# Altium PCB OneBox.PcbDoc (part 9 of 13) (continued)
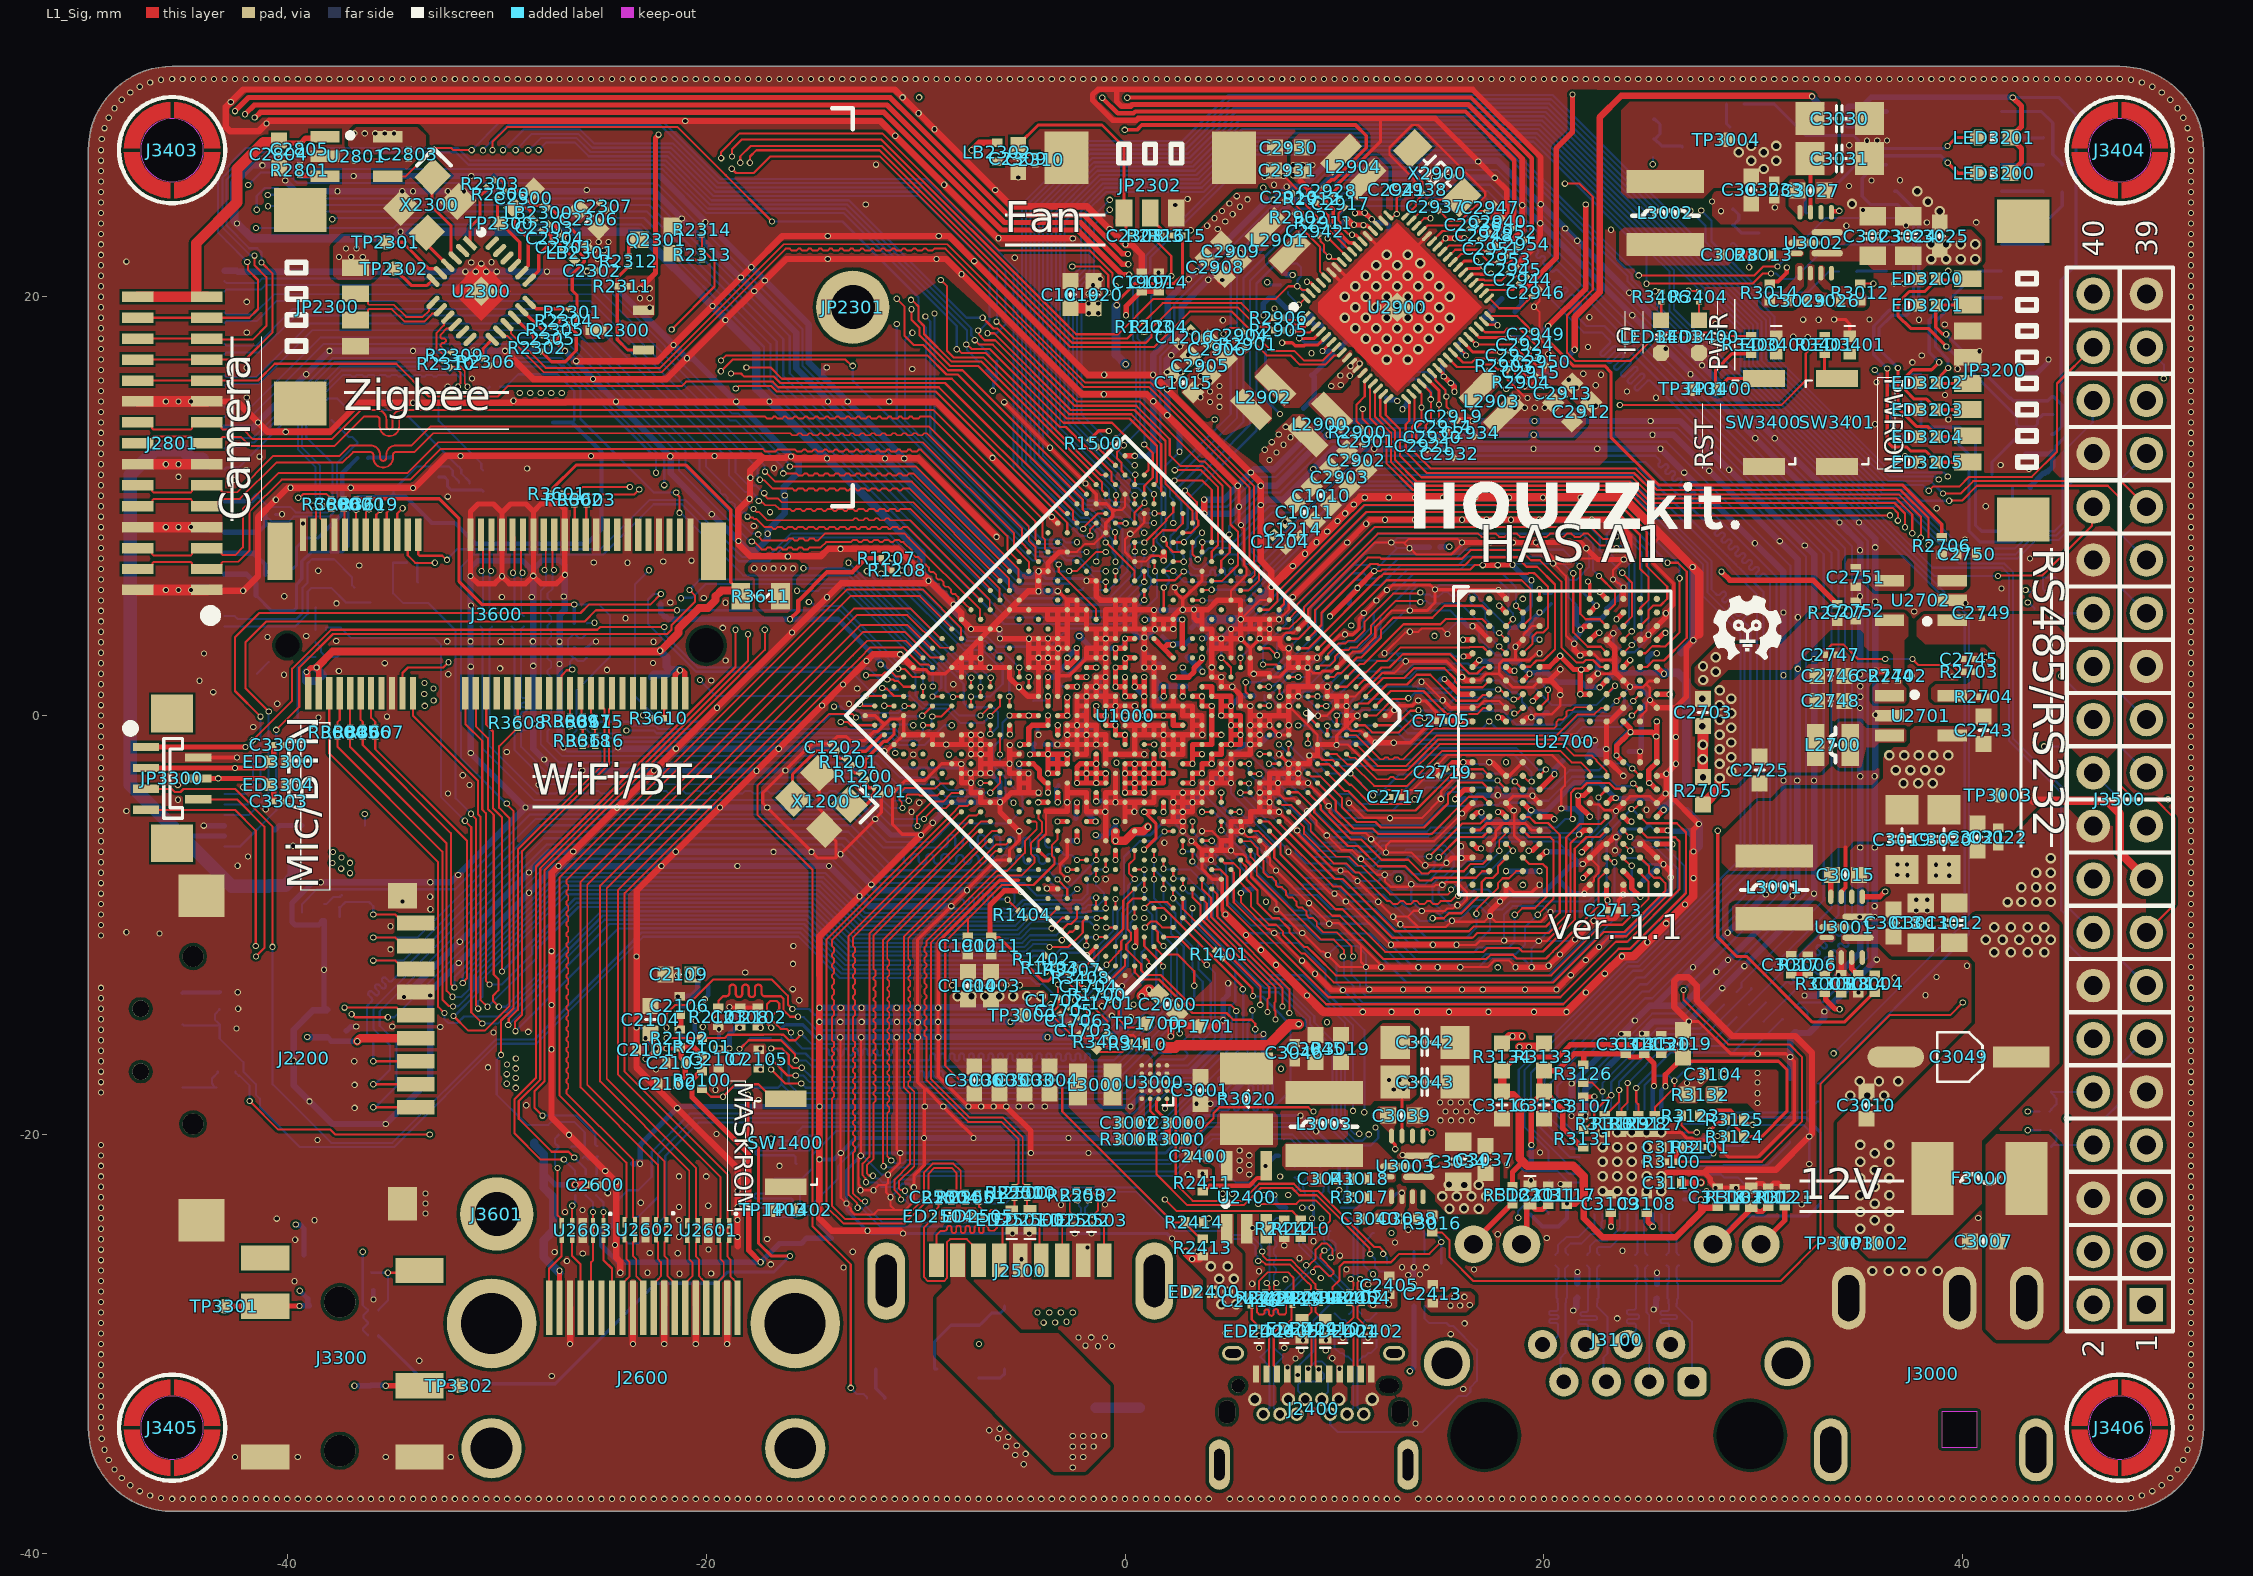
[diagram p0: L1_Sig view]
## Nets (pads, with @x,y where several pads share a name; then routed paths per layer and width w, separated by ;. In a path a pad name is that pad's centre, name@x,y a point inside that pad or via, vN(x,y) a via of type N, cw(c..) or ccw(c..) an arc to the next point about the centre after c; other vN are vias at no path point) (continued)
  L1_Sig w0.152: R1201.2@-13.023,-2.377 -13.041,-2.394 -13.041,-2.611 -12.911,-2.741 R1200.1@-12.695,-2.741 ; R1200.1@-12.677,-2.693 R1200.1@-12.677,-2.723 -12.4,-2.446 -12.4,-2.106 -11.516,-1.222 -11.365,-1.222 -11.031,-0.888 U1000.AF27@-11.031,-0.46
NetR1404_2: R1404.2 U1000.H28 | length 1.7
  L1_Sig w0.102: R1404.2@-4.723,-9.677 -3.689,-9.677 -3.217,-9.205 U1000.H28@-3.217,-9.192
NetR1600_1: R1600.1 U1000.AC1 | length 6.5
  L1_Sig w0.104: v1(0.922,8.27) 0.925,8.27 1.966,9.311 1.966,9.372 2.298,9.704 U1000.AC1@2.298,10.112
  L6_Sig w0.102: R1600.1@-1.5,6.1 R1600.1@-1.461,6.061
  L6_Sig w0.104: R1600.1@-1.512,5.998 -0.781,5.998 0.115,6.893 0.115,8.024 0.361,8.27 v1(0.922,8.27)
NetR1800_2: R1800.2 U1000.AA18 | length 0.5
  L1_Sig w0.102: U1000.AA18@-4.596,1.379 v1(-4.596,1.838)
NetR2300_1: R2300.1 TP2300.1 U2300.21 | length 3.8
  L1_Sig w0.152: R2300.1@-29.977,24.723 -29.959,24.705 -29.959,23.991 -29.963,23.988 -29.963,23.663 -28.9,22.6 -28.9,21.78 -29.155,21.525 U2300.21@-29.155,21.498
NetR2303_2: R2303.2 U2300.1 | length 3
  L1_Sig w0.152: U2300.1@-31.277,22.559 -31.277,23.323 -30.795,23.805 -30.795,24.65 -30.807,24.663 -30.807,24.789 -30.459,25.137 -30.459,25.206 R2303.2@-30.477,25.223
NetR2306_2: R2306.2 U2300.13 | length 1.1
  L1_Sig w0.152: R2306.2@-30.677,17.077 -30.659,17.094 -30.659,17.52 U2300.13@-30.216,17.963
NetR2412_1: R2412.1 U2400.3 | length 1
  L1_Sig w0.091: R2412.1@7.55,-24.075 R2412.1@7.6,-24.075
  L1_Sig w0.152: U2400.3@6.75,-24.5 6.836,-24.414 7.211,-24.414 R2412.1@7.55,-24.075
NetR2415_1: R2415.1 U2401.7 | length 1.7
  L6_Sig w0.102: U2401.7@10.305,-23.5 11.1,-23.5 11.5,-23.1 R2415.1@11.875,-23.1
NetR2508_1: R2508.1 U2500.3 | length 1.6
  L6_Sig w0.152: R2508.1@-7,-31.625 -5.949,-31.625 -5.75,-31.426 U2500.3@-5.75,-31.2
NetR2700_1: R2700.1 U2700.A8 | length 0.9
  L1_Sig w0.152: v1(22.1,6.4) 22.192,6.308 U2700.A8@22.192,5.574
NetR2701_1: R2701.1 U2700.A5 | length 1.1
  L1_Sig w0.152: v1(19.784,6.033) 19.788,6.03 19.788,5.577 U2700.A5@19.792,5.574
  L6_Sig w0.152: v1(19.784,6.033) 19.824,6.033 20.018,5.84 R2701.1@20.366,5.84
NetR2800_1: R2800.1 U2800.3 | length 1.4
  L6_Sig w0.254: R2800.1@-40.6,-5.45 -40.579,-5.45 -40.53,-5.401 -40.53,-5.399 -40.381,-5.25 U2800.3@-39.3,-5.25
NetR2801_1: R2801.1 U2801.3 | length 1.3
  L1_Sig w0.254: R2801.1@-39.398,25.798 -38.135,25.8 U2801.3@-38.098,25.837
NetR2802_2: R2802.2 U2802.4
NetR2803_1: R2803.1 R2804.1 U2802.3 | length 2.1
  L6_Sig w0.102: R2803.1@-38.65,3.5 -38.65,3.475 -38.576,3.401 -38.551,3.401 -38.4,3.25 -38.4,3.05 R2804.1@-38.15,2.8 -37.622,2.8 -37.372,3.05 U2802.3@-37.097,3.05
NetR2903_1: R2903.1 R2904.2 U2900.27 | length 4
  L1_Sig w0.102: U2900.27@15.652,17.343 16.136,16.859 16.559,16.859 16.741,17.041 17.724,17.041 17.87,16.894 18.359,16.894 18.624,16.63 18.624,16.317 18.741,16.199 18.741,16.094 R2904.2@18.723,16.077
NetR2911_1: R2911.1 R2912.2 U2900.59 | length 3.1
  L1_Sig w0.102: R2912.2@9.119,24.501 9.119,24.476 9.703,23.893 9.703,23.661 9.7,23.658 R2911.1@9.7,23.346 ; R2911.1@9.661,23.346 9.661,23.273 10.619,22.315 10.68,22.315 U2900.59@10.843,22.152
NetR3005_2: R3005.2 U3001.3 | length 9.4
  L1_Sig w0.254: R3005.2@33.502,-13.277 33.45,-13.225 33.45,-13.551 33.907,-14.008 34.108,-14.008 v3(34.117,-14.017) ; U3001.3@35.2,-8.65 36.037,-8.65 36.286,-8.4 v3(36.3,-8.4)
  L4_Sig w0.254: v3(34.117,-14.017) 34.862,-14.017 36.3,-12.579 v3(36.3,-8.4)
NetR3006_2: R3006.2 U3001.8
NetR3013_2: R3013.2 U3002.8
NetR3014_2: R3014.2 U3002.3 | length 5.7
  L1_Sig w0.102: U3002.3@33.726,24.027 U3002.3@33.726,24.226
  L1_Sig w0.203: R3014.2@30.792,20.627 30.887,20.722 31.171,20.722 31.6,21.151 v1(31.6,21.4) ; U3002.3@33.726,24.226 33.726,24.102 33.748,24.081 34.081,24.081 v1(34.1,24.1)
  L3_Pow w0.203: v1(31.6,21.4) 34.081,23.881 34.081,24.081 v1(34.1,24.1)
NetR3017_2: R3017.2 U3003.3 | length 6.1
  L1_Sig w0.102: R3017.2@10.775,-22.99 R3017.2@10.775,-23 10.785,-23 v1(10.849,-23.064) ; U3003.3@14.226,-20.073 14.226,-19.882 14.36,-19.749 14.444,-19.749 v1(14.629,-19.935)
  L4_Sig w0.102: v1(10.849,-23.064) 11.836,-23.064 14.624,-20.276 14.624,-19.939 v1(14.629,-19.935)
NetR3018_2: R3018.2 U3003.8
NetR3103_1: R3103.1 U3100.31 | length 6.8
  L6_Sig w0.102: U3100.31@26.699,-19.499 27.601,-19.499 28.143,-18.957 32.518,-18.957 33.05,-18.425 R3103.1@33.1,-18.425
NetTP2301_1: TP2301.1 U2300.5 | length 3.2
  L1_Sig w0.152: TP2301.1@-35.3,22.6 -34.5,22.6 -33.239,21.339 -32.885,21.339 U2300.5@-32.691,21.145
NetTP2302_1: TP2302.1 U2300.6 | length 2.5
  L1_Sig w0.152: TP2302.1@-34.896,21.344 -34.091,20.539 -33.328,20.539 -33.092,20.775 -33.092,20.839 U2300.6@-33.239,20.985
NetU2300_3: U2300.3 X2300.1 | length 4.4
  L1_Sig w0.152: X2300.1@-33.059,25.744 -33.094,25.708 -33.094,24.294 -32.178,23.378 -32.178,22.046 U2300.3@-31.984,21.852
NetU2300_4: U2300.4 X2300.3 | length 2
  L1_Sig w0.152: X2300.3@-33.341,23.056 -33.341,22.502 U2300.4@-32.337,21.498
PCIE20_CLKREQn_M1: R3601.2 R3602.1 U1000.AG6 | length 32.2
  L1_Sig w0.102: R3601.2@-26.85,10.6 -26.825,10.575 -26.325,10.575 R3602.1@-26.3,10.55 -26.275,10.55 -25.914,10.911 v1(-23.644,10.911) ; v1(-19.297,16.955) -19.049,17.203 -9.439,17.203 -8.524,16.289 -7.989,16.289 -2.021,10.321 -2.021,9.997 -2.021,9.834 U1000.AG6@-1.838,9.652
  L4_Sig w0.102: v1(-23.644,10.911) -23.644,12.608 v1(-19.297,16.955)
PCIE20_PERSTn_M1: R3609.2 U1000.AD1 | length 73
  L1_Sig w0.102: v1(-7.015,18.39) -6.979,18.354 -6.979,18.202 -6.889,18.112 -6.889,18.1 -6.711,17.922 -6.203,17.922 -2.671,14.39 0.302,14.39 1.729,12.963 1.729,10.705 1.838,10.596 U1000.AD1@1.838,10.571
  L4_Sig w0.102: v1(-28.5,27) -28.498,26.998 -28.498,24.398 -28.203,24.103 -28.203,16.884 -29.972,15.116 -29.972,9.728 -31.822,7.878 -31.822,4.735 -26.567,-0.52 v1(-26.542,-0.52)
  L6_Sig w0.102: v1(-28.5,27) -28.467,27 -27.895,27.572 -26.185,27.572 -25.522,26.909 -21.763,26.909 -19.666,24.813 -9.846,24.813 -6.47,21.437 -6.47,18.863 -6.867,18.466 -6.886,18.466 -6.962,18.39 v1(-7.015,18.39)
PCIE20_REFCLK_N: J3600.49 U1000.V25 | length 33.8
  L1_Sig w0.091: v1(-27.266,6.947) -27.266,7.005 -27.342,7.082 -27.342,8.533 J3600.49@-27.25,8.625 ; v1@-6.9,-3.216 v1(-6.902,-3.217) U1000.V25@-6.435,-3.217
  L6_Sig w0.091: v1(-27.266,6.947) -27.266,6.89 -27.337,6.819 -27.337,6.063 -27.58,5.82 -27.58,5.62 -27.4,5.44 -27.4,5.2 -27.58,5.02 -27.58,4.9 -27.4,4.72 -27.4,4.48 -27.58,4.3 -27.58,4.18 -27.4,4 -27.4,3.76 -27.58,3.58 -27.58,3.46 -27.4,3.28 -27.4,3.04 -27.58,2.86 -27.58,2.74 -27.4,2.56 -27.4,2.32 -27.58,2.14 -27.58,2.02 -27.4,1.84 -27.4,1.6 -27.58,1.42 -27.58,1.3 -27.4,1.12 -27.4,0.88 -27.58,0.7 -27.58,0.58 -27.4,0.4 -27.4,0.16 -27.58,-0.02 -27.58,-0.14 -27.4,-0.32 -27.4,-0.56 -27.58,-0.74 -27.58,-1.226 -26.877,-1.929 -11.772,-1.929 -10.735,-2.965 -9.035,-2.965 -8.458,-3.542 -6.986,-3.542 -6.895,-3.451 -6.895,-3.224 v1(-6.902,-3.217)
PCIE20_REFCLK_P: J3600.47 U1000.V24 | length 33.9
  L1_Sig w0.091: J3600.47@-27.75,8.625 -27.663,8.538 -27.663,7.108 -27.682,7.088 -27.682,6.988 v1(-27.723,6.947) ; v1(-6.435,-3.684) -5.975,-3.225 U1000.V24@-5.975,-2.758
  L6_Sig w0.091: v1(-27.723,6.947) -27.682,6.907 -27.682,6.813 -27.657,6.787 -27.657,6.196 -27.9,5.953 -27.9,-1.358 -27.01,-2.249 -11.904,-2.249 -11.34,-2.813 -10.868,-3.285 -9.168,-3.285 -8.59,-3.862 -6.853,-3.862 -6.668,-3.677 -6.442,-3.677 v1(-6.435,-3.684)
PCIE20_RX_N: C3611.2 U1000.Y28 | length 29.1
  L1_Sig w0.091: v1(-10.329,-4.066) -10.329,-4.024 -10.447,-3.906 -10.447,-3.83 -10.393,-3.777 -9.847,-3.777 -9.814,-3.81 -8.947,-3.81 -8.845,-3.707 -8.763,-3.707 U1000.Y28@-8.733,-3.677
  L6_Sig w0.091: C3611.2@-28.692,4.253 -28.717,4.253 C3611.2@-28.796,4.174 ; v1(-10.329,-4.066) -11.079,-4.066 -12.196,-2.95 -17.45,-2.95 -17.459,-2.958 -27.376,-2.958 -28.841,-1.493 -28.841,-1.245 -28.836,-1.24 -28.836,-1.068 -28.836,-0.804 cw(c-28.727,-0.804) -28.727,-0.694 -28.669,-0.694 ccw(c-28.669,-0.585) -28.669,-0.476 -28.732,-0.476 cw(c-28.732,-0.367) -28.732,-0.257 -28.669,-0.257 ccw(c-28.669,-0.148) -28.669,-0.039 -28.732,-0.039 cw(c-28.732,0.07) -28.732,0.179 -28.669,0.179 ccw(c-28.669,0.289) -28.669,0.398 -28.732,0.398 cw(c-28.732,0.507) -28.732,0.616 -28.669,0.616 ccw(c-28.669,0.726) -28.669,0.835 -28.727,0.835 cw(c-28.727,0.944) -28.836,0.944 -28.836,1.12 -28.836,4.109 ; -28.836,4.109 -28.836,4.134 C3611.2@-28.796,4.174 ; -28.836,4.109 -28.796,4.149 C3611.2@-28.796,4.174
PCIE20_RX_P: C3610.2 U1000.Y27 | length 29.2
  L1_Sig w0.091: v1(-10.623,-4.416) -10.664,-4.375 -10.664,-4.141 -10.767,-4.039 -10.767,-3.698 -10.526,-3.457 -9.714,-3.457 -9.681,-3.49 -9.08,-3.49 -8.832,-3.242 -8.298,-3.242 U1000.Y27@-8.273,-3.217
  L6_Sig w0.091: C3610.2@-29.3,4.25 -29.275,4.25 -29.156,4.131 -29.156,2.062 -29.161,2.056 -29.161,-1.626 -27.509,-3.278 -17.326,-3.278 -17.318,-3.27 -12.328,-3.27 -11.182,-4.416 v1(-10.623,-4.416)
PCIE20_TX_N: C3602.2 U1000.W28 | length 31.2
  L1_Sig w0.091: v1(-9.604,-4.932) -9.604,-4.918 -9.108,-4.422 -8.558,-4.422 U1000.W28@-8.273,-4.137
  L6_Sig w0.091: C3602.2@-30.225,4.25 -30.356,4.119 -30.356,-1.444 -28.091,-3.709 -27.168,-3.709 -27.059,-3.6 -26.759,-3.6 -26.649,-3.709 -26.359,-3.709 -26.249,-3.6 -25.949,-3.6 -25.84,-3.709 -25.549,-3.709 -25.44,-3.6 -25.14,-3.6 -25.031,-3.709 -24.74,-3.709 -24.631,-3.6 -24.331,-3.6 -24.221,-3.709 -23.931,-3.709 -23.821,-3.6 -23.521,-3.6 -23.412,-3.709 -23.121,-3.709 -23.012,-3.6 -22.712,-3.6 -22.603,-3.709 -22.312,-3.709 -22.203,-3.6 -21.903,-3.6 -21.793,-3.709 -21.503,-3.709 -21.393,-3.6 -21.093,-3.6 -20.984,-3.709 -20.693,-3.709 -20.584,-3.6 -20.284,-3.6 -20.175,-3.709 -19.884,-3.709 -19.775,-3.6 -19.475,-3.6 -19.365,-3.709 -19.075,-3.709 -18.965,-3.6 -18.665,-3.6 -18.556,-3.709 -18.265,-3.709 -18.156,-3.6 -17.856,-3.6 -17.747,-3.709 -17.456,-3.709 -17.347,-3.6 -17.047,-3.6 -16.937,-3.709 -16.647,-3.709 -16.537,-3.6 -16.237,-3.6 -16.128,-3.709 -15.837,-3.709 -15.728,-3.6 -15.428,-3.6 -15.319,-3.709 -15.028,-3.709 -14.919,-3.6 -14.619,-3.6 -14.509,-3.709 -14.219,-3.709 -14.109,-3.6 -13.809,-3.6 -13.7,-3.709 -13.409,-3.709 -13.3,-3.6 -13,-3.6 -12.891,-3.709 -12.246,-3.709 -11.025,-4.93 -9.605,-4.93 v1(-9.604,-4.932)
PCIE20_TX_P: C3601.2 U1000.W27 | length 31.2
  L1_Sig w0.091: v1(-9.91,-5.274) -9.934,-5.25 -9.934,-4.795 -9.24,-4.102 -8.691,-4.102 -8.291,-3.702 -7.838,-3.702 U1000.W27@-7.814,-3.677
  L6_Sig w0.091: C3601.2@-30.775,4.25 -30.696,4.171 -30.696,4.136 -30.677,4.117 -30.677,-1.576 -28.223,-4.029 -12.379,-4.029 -11.158,-5.25 -9.934,-5.25 v1(-9.91,-5.274)
PCIE20_WAKEn_M1: R3603.1 U1000.AD7 | length 33.5
  L1_Sig w0.089: v1(-2.671,6.906) -2.286,6.906 -1.379,7.814 v1(-0.919,7.814)
  L1_Sig w0.102: R3603.1@-25.7,10.55 -23.45,10.55 v1(-23.2,10.8) ; v1(-19.3,16.443) -19.29,16.443 -18.733,17 -13.355,17 -13.055,16.7 v1(-13,16.7)
  L4_Sig w0.102: v1(-23.2,10.8) -23.2,12.543 v1(-19.3,16.443)
  L6_Sig w0.102: v1(-13,16.7) -13,16 -4.4,7.4 -3.9,7.4 -3.385,6.885 -2.692,6.885 v1(-2.671,6.906)
PCIE20RX_N: C3611.1 J3600.43 | length 4
  L1_Sig w0.091: v1(-28.773,6.825) -28.773,6.883 -28.841,6.951 -28.841,7.448 -28.84,7.449 -28.84,8.535 J3600.43@-28.75,8.625
  L6_Sig w0.091: v1(-28.773,6.825) -28.813,6.784 -28.813,6.682 -28.831,6.665 -28.831,4.867 -28.717,4.753 C3611.1@-28.692,4.753
PCIE20RX_P: C3610.1 J3600.41 | length 4.1
  L1_Sig w0.091: J3600.41@-29.25,8.625 -29.16,8.535 -29.16,7.582 -29.161,7.58 -29.161,6.951 -29.23,6.883 v1(-29.23,6.825)
  L6_Sig w0.091: C3610.1@-29.3,4.75 -29.275,4.75 -29.151,4.874 -29.151,6.689 -29.23,6.767 v1(-29.23,6.825)
PCIE20TX_N: C3602.1 J3600.37 | length 3.3
  L1_Sig w0.091: J3600.37@-30.34,7.9 -30.34,7.567 -30.34,7.026 -30.271,6.958 v1(-30.271,6.9)
  L6_Sig w0.091: v1(-30.271,6.9) -30.271,6.869 -30.34,6.8 -30.34,4.865 -30.225,4.75 C3602.1@-30.2,4.75
PCIE20TX_P: C3601.1 J3600.35 | length 3.3
  L1_Sig w0.091: v1(-30.729,6.9) -30.729,6.958 -30.66,7.026 -30.66,7.435 J3600.35@-30.66,7.9
  L6_Sig w0.091: C3601.1@-30.8,4.75 -30.775,4.75 -30.66,4.865 -30.66,6.8 -30.729,6.869 v1(-30.729,6.9)
PCIE30_RESREF: R1900.1 U1000.U19 | length 0.5
  L1_Sig w0.254: U1000.U19@-3.217,-0.919 v1(-3.217,-0.46)
PDM_CLK0_M0_RK809: U1000.C20 U2900.19 | length 101.1
  L1_Sig w0.102: U1000.C20@2.758,-7.814 2.76,-7.815 2.76,-8.238 v1(2.761,-8.24) ; U2900.19@13.672,15.363 13.82,15.215 13.82,13.92 13.698,13.798 13.698,12.702 14.61,11.79 24.384,11.79 25.399,10.776 37.026,10.776 38.362,9.44 v1(38.362,8.14)
  L4_Sig w0.102: v1(11.954,-19.665) 12.004,-19.665 14.453,-17.216 23.209,-17.216 23.732,-16.694 26.766,-16.694 28.566,-14.894 35.232,-14.894 38.476,-11.649 38.476,-9.912 41.8,-6.588 41.8,4.703 v1(38.362,8.14)
  L6_Sig w0.102: v1(2.761,-8.24) 3.018,-8.497 3.297,-8.497 3.595,-8.795 3.595,-9.946 5.622,-11.972 6.349,-12.7 6.657,-13.008 7.406,-13.008 7.717,-13.319 8.831,-14.432 8.831,-14.743 10.103,-16.016 10.103,-19.703 10.919,-20.519 11.74,-20.519 12.091,-20.169 12.091,-19.823 11.954,-19.686 v1(11.954,-19.665)
PHY1_CLKOUT125: R3101.2 U3100.35 | length 2
  L1_Sig w0.152: R3101.2@27.75,-20.6 27.75,-20.625 27.799,-20.674 27.824,-20.674 28.021,-20.871 28.071,-20.871 v1(28.1,-20.9)
  L6_Sig w0.152: U3100.35@26.699,-21.099 27.901,-21.099 v1(28.1,-20.9)
PHY1_LED0/CFG_EXT: R3123.1 U3100.32 | length 1.9
  L1_Sig w0.102: R3123.1@26.575,-19.1 26.575,-19.575 26.9,-19.9 v1(27.3,-19.9)
  L6_Sig w0.102: U3100.32@26.699,-19.9 v1(27.3,-19.9)
PHY1_LED1/CFG_LDO0: C3112.2 ED3100.1 J3100.10 R3125.2 U3100.33 | length 21.3
  L1_Sig w0.152: v1(27.915,-19.822) 28.336,-19.402 28.573,-19.402 R3125.2@28.675,-19.3 ; C3112.2@30.65,-23.45 C3112.2@30.7,-23.45
  L1_Sig w0.254: J3100.10@28.07,-25.243 28.208,-25.243 29.777,-23.674 29.777,-23.498 29.85,-23.425 29.9,-23.425 ED3100.1@29.973,-23.352 ; ED3100.1@29.95,-23.425 30.207,-23.682 30.418,-23.682 C3112.2@30.65,-23.45
  L6_Sig w0.152: U3100.33@26.699,-20.299 27.479,-20.299 27.915,-19.863 v1(27.915,-19.822) 28.551,-19.186 32.496,-19.186 33.1,-19.79 33.1,-19.8 33.2,-19.9 33.2,-23.3 32.6,-23.9 29.413,-23.9 J3100.10@28.07,-25.243
PHY1_LED2/CFG_LDO1: C3111.2 ED3101.1 J3100.11 R3124.1 U3100.34 | length 21.2
  L1_Sig w0.152: v1(28.289,-20.077) 28.551,-20.077 28.675,-19.953 R3124.1@28.675,-19.95
  L1_Sig w0.254: J3100.11@18.93,-25.243 19.177,-24.996 19.177,-23.398 19.25,-23.325 19.3,-23.325 19.373,-23.398 19.423,-23.398 19.607,-23.582 19.928,-23.582 20.077,-23.434 20.077,-23.423 20.15,-23.35 C3111.2@20.2,-23.35
  L4_Sig w0.152: J3100.11@18.93,-25.243 18,-24.313 18,-24 18.6,-23.4 19.8,-23.4 21.3,-24.9 22.7,-24.9 23.7,-24.9 24.7,-23.9 26,-23.9 26.7,-23.2 26.7,-21.666 v1(28.289,-20.077)
  L6_Sig w0.152: U3100.34@26.699,-20.701 27.672,-20.701 28.289,-20.083 v1(28.289,-20.077)
PHY1_MDI0_N: L3103.3 R3119.1 U3100.2 | length 2.2
  L6_Sig w0.091: U3100.2@25.6,-23.799 25.622,-23.822 25.622,-24.196 25.622,-24.778 25.972,-25.127 25.972,-25.591 25.949,-25.614 25.949,-25.651 L3103.3@25.85,-25.75
PHY1_MDI0_P: L3103.4 R3120.1 U3100.1 | length 2.2
  L6_Sig w0.091: U3100.1@26.001,-23.799 25.978,-23.822 25.978,-24.196 25.978,-24.63 26.328,-24.98 26.328,-25.616 26.351,-25.639 26.351,-25.676 26.425,-25.75 L3103.4@26.45,-25.75
PHY1_MDI1_N: L3102.3 R3117.1 U3100.5 | length 2
  L6_Sig w0.091: L3102.3@24.35,-25.75 24.375,-25.75 24.449,-25.676 24.449,-25.639 24.472,-25.616 24.472,-24.977 24.422,-24.927 24.422,-23.821 U3100.5@24.401,-23.799
PHY1_MDI1_P: L3102.4 R3118.1 U3100.4 | length 2.1
  L6_Sig w0.091: U3100.4@24.799,-23.799 24.778,-23.821 24.778,-24.78 24.828,-24.83 24.828,-25.616 24.851,-25.639 24.851,-25.676 L3102.4@24.925,-25.75 ; L3102.4@24.925,-25.75 L3102.4@24.95,-25.75 L3102.4@24.925,-25.75
PHY1_MDI2_N: L3101.3 R3115.1 U3100.7 | length 3
  L6_Sig w0.091: L3101.3@22.05,-25.75 22.075,-25.75 22.075,-25.725 22.208,-25.592 22.208,-25.315 22.467,-25.056 23.035,-25.056 23.622,-24.469 23.622,-23.821 U3100.7@23.601,-23.799
PHY1_MDI2_P: L3101.4 R3116.1 U3100.6 | length 3
  L6_Sig w0.091: L3101.4@22.65,-25.75 22.625,-25.75 22.551,-25.676 22.551,-25.639 22.528,-25.616 22.528,-25.448 22.6,-25.376 23.168,-25.376 23.999,-24.544 U3100.6@23.999,-23.799
PHY1_MDI3_N: L3100.3 R3113.1 U3100.10 | length 3.2
  L6_Sig w0.091: L3100.3@20.55,-25.75 20.649,-25.651 20.649,-25.614 20.672,-25.591 20.672,-25.3 21.079,-24.894 21.653,-24.894 22.106,-24.441 22.332,-24.441 22.422,-24.352 22.422,-24.196 22.422,-23.822 U3100.10@22.399,-23.799
PHY1_MDI3_P: L3100.4 R3114.1 U3100.9 | length 3.2
  L6_Sig w0.091: L3100.4@21.15,-25.75 21.051,-25.651 21.051,-25.614 21.028,-25.591 21.028,-25.448 21.261,-25.214 21.786,-25.214 22.239,-24.761 22.465,-24.761 22.742,-24.484 22.742,-24.183 22.8,-24.124 U3100.9@22.8,-23.799
PHY1_MDI_0_N: J3100.2 L3103.1 R3119.2 U3101.4 U3101.7 | length 6.1
  L6_Sig w0.091: U3101.4@25.85,-26.93 U3101.4@25.9,-26.98 ; L3103.1@25.85,-26.25 25.875,-26.25 25.949,-26.324 25.949,-26.361 25.972,-26.384 25.972,-26.58 25.972,-26.871 25.949,-26.894 25.949,-27.081 U3101.4@25.9,-27.13 U3101.7@25.9,-27.83 25.949,-27.879 25.949,-28.066 25.972,-28.089 25.972,-28.097 25.972,-28.336 cw(c25.876,-28.336) 25.876,-28.433 25.655,-28.433 ccw(c25.655,-28.529) 25.655,-28.626 26.261,-28.626 cw(c26.261,-28.722) 26.261,-28.819 25.655,-28.819 ccw(c25.655,-28.915) 25.655,-29.012 25.876,-29.012 cw(c25.876,-29.108) 25.972,-29.108 25.972,-29.298 25.972,-29.952 J3100.2@26.05,-30.03
PHY1_MDI_0_P: J3100.1 L3103.2 R3120.2 U3101.5 U3101.6 | length 6.1
  L6_Sig w0.091: U3101.5@26.4,-26.98 U3101.5@26.45,-26.93 ; L3103.2@26.45,-26.25 26.425,-26.25 26.351,-26.324 26.351,-26.361 26.328,-26.384 26.328,-26.728 26.328,-26.812 26.351,-26.835 26.351,-27.081 U3101.5@26.4,-27.13 U3101.6@26.4,-27.83 26.346,-27.884 26.346,-28.069 26.327,-28.088 26.327,-28.193 27.07,-28.935 J3100.1@27.07,-31.81
PHY1_MDI_1_N: J3100.4 L3102.1 R3117.2 U3101.1 U3101.10 | length 5.8
  L6_Sig w0.091: J3100.4@24.01,-30.03 24.01,-29.711 24.4,-29.321 24.4,-29.181 24.4,-29.135 ccw(c24.291,-29.135) 24.291,-29.026 24.063,-29.026 cw(c24.063,-28.917) 24.063,-28.807 24.437,-28.807 ccw(c24.437,-28.698) 24.437,-28.589 24.063,-28.589 cw(c24.063,-28.48) 24.063,-28.37 24.291,-28.37 ccw(c24.291,-28.261) 24.4,-28.261 24.4,-28.091 U3101.10@24.4,-27.83 U3101.1@24.4,-27.13 24.449,-27.081 24.449,-26.894 24.472,-26.871 24.472,-26.58 24.472,-26.384 24.449,-26.361 24.449,-26.324 24.375,-26.25 L3102.1@24.35,-26.25 ; U3101.1@24.35,-26.93 U3101.1@24.4,-26.98
PHY1_MDI_1_P: J3100.3 L3102.2 R3118.2 U3101.2 U3101.9 | length 5.8
  L6_Sig w0.091: U3101.2@24.9,-26.98 U3101.2@24.95,-26.93 ; L3102.2@24.95,-26.25 24.851,-26.349 24.851,-26.386 24.828,-26.409 24.828,-26.728 24.828,-26.812 24.851,-26.835 24.851,-27.081 U3101.2@24.9,-27.13 U3101.9@24.9,-27.83 24.9,-28.497 25.03,-28.627 J3100.3@25.03,-31.81
PHY1_MDI_2_N: J3100.6 L3101.1 R3115.2 U3102.4 U3102.7 | length 6.3
  L6_Sig w0.091: J3100.6@21.97,-30.03 22.1,-29.9 22.1,-29.2 22.1,-29.154 ccw(c22.003,-29.154) 22.003,-29.058 21.737,-29.058 cw(c21.737,-28.961) 21.737,-28.865 22.448,-28.865 ccw(c22.448,-28.768) 22.448,-28.672 21.842,-28.672 cw(c21.842,-28.575) 21.842,-28.479 22.003,-28.479 ccw(c22.003,-28.382) 22.1,-28.382 22.1,-28.2 U3102.7@22.1,-27.8 U3102.4@22.1,-27.1 ; L3101.1@22.05,-26.25 22.149,-26.349 22.149,-26.386 22.172,-26.409 U3102.4@22.172,-27.3
PHY1_MDI_2_P: J3100.5 L3101.2 R3116.2 U3102.5 U3102.6 | length 6.3
  L6_Sig w0.091: U3102.5@22.528,-27.3 22.528,-26.409 22.551,-26.386 22.551,-26.349 L3101.2@22.65,-26.25 ; U3102.5@22.6,-27.1 U3102.6@22.6,-27.8 22.551,-27.849 22.551,-28.036 22.528,-28.059 22.528,-28.202 23.035,-28.71 23.035,-30.459 22.835,-30.659 22.835,-31.655 J3100.5@22.99,-31.81 ; U3102.5@22.6,-26.95 U3102.5@22.65,-26.9
PHY1_MDI_3_N: J3100.8 L3100.1 R3113.2 U3102.1 U3102.10 | length 5.9
  L6_Sig w0.091: J3100.8@19.93,-30.03 20.27,-30.03 20.672,-29.628 20.672,-29.15 20.672,-29.104 ccw(c20.576,-29.104) 20.576,-29.007 20.348,-29.007 cw(c20.348,-28.911) 20.348,-28.814 20.611,-28.814 ccw(c20.611,-28.718) 20.611,-28.621 20.348,-28.621 cw(c20.348,-28.525) 20.348,-28.428 20.576,-28.428 ccw(c20.576,-28.332) 20.672,-28.332 20.672,-28.059 20.649,-28.036 20.649,-27.998 20.649,-27.849 U3102.10@20.6,-27.8 U3102.1@20.6,-26.95 ; U3102.1@20.55,-26.9 U3102.1@20.6,-26.95 ; L3100.1@20.55,-26.25 20.688,-26.388 20.688,-26.862 U3102.1@20.6,-26.95
PHY1_MDI_3_P: J3100.7 L3100.2 R3114.2 U3102.2 U3102.9 | length 5.8
  L6_Sig w0.091: J3100.7@20.95,-31.81 20.795,-31.655 20.795,-30.659 21.028,-30.427 21.028,-28.059 21.051,-28.036 21.051,-27.849 U3102.9@21.1,-27.8 21.1,-26.95 21.008,-26.858 21.008,-26.392 L3100.2@21.15,-26.25
PHY1_REG_OUT: C3104.2 L3104.1 R3132.1 U3100.30
  other v1: 26.834,-17.537 27.495,-17.43
PHY1_RSTn: C3121.2 R3104.2 R3105.2 U3100.12 | length 3.7
  L6_Sig w0.102: R3104.2@20.225,-23.8 20.225,-23.75 20.076,-23.601 20.06,-23.601 20,-23.541 20,-23.275 20.225,-23.05 20.225,-22.95 20,-22.725 20,-22.5 20.25,-22.25 C3121.2@20.25,-22.2 20.399,-22.349 20.399,-22.483 20.616,-22.7 U3100.12@21.701,-22.7
PHY1_RXCLK/PHYAD1: R3111.1 R3127.2 U3100.27 | length 11.3
  L1_Sig w0.104: R3127.2@25.3,-19.075 25.3,-18.7 26.228,-17.772 v1(26.228,-17.435)
  L6_Sig w0.104: U3100.27@24.799,-18.801 24.799,-17.655 25.254,-17.2 25.953,-17.2 26.188,-17.435 v1(26.228,-17.435) ; v1@26.201,-17.408 26.256,-17.408 27.201,-16.462 29.418,-16.462 31.38,-14.501 R3111.1@31.399,-14.501
PHY1_RXD0/RXDLY: R3107.1 R3129.2 U3100.25 | length 11.1
  L1_Sig w0.102: R3129.2@23.7,-19.075 23.7,-18.764 23.997,-18.467 v1(23.997,-17.546)
  L6_Sig w0.102: U3100.25@23.999,-18.801 23.998,-18.8 v1(23.997,-17.546) v1(23.997,-17.546) 25.774,-15.77 28.53,-15.77 R3107.1@30.599,-13.701
PHY1_RXD1/TXDLY: R3108.1 R3130.2 U3100.24 | length 9.7
  L1_Sig w0.104: R3130.2@22.9,-19.075 22.95,-19.075 23.094,-18.931 23.585,-18.44 23.585,-17.882 v1(23.591,-17.877)
  L6_Sig w0.104: U3100.24@23.601,-18.801 23.596,-18.796 23.596,-17.881 v1(23.591,-17.877) 23.591,-17.469 25.612,-15.447 28.153,-15.447 R3108.1@29.199,-14.401
PHY1_RXD2/PLLOFF: R3109.1 R3131.1 U3100.23 | length 12.2
  L1_Sig w0.104: R3131.1@21.877,-19.775 21.927,-19.775 22.4,-19.302 22.4,-18.902 23.179,-18.124 v1(23.212,-18.124)
  L6_Sig w0.104: U3100.23@23.199,-18.801 23.205,-18.794 v1@23.205,-18.104 ; v1(23.212,-18.124) 23.212,-17.491 25.507,-15.195 27.776,-15.195 29.899,-13.071 R3109.1@29.899,-13.001
PHY1_RXD3/PHYAD0: R3110.1 R3126.1 U3100.22 | length 9.7
  L1_Sig w0.104: R3126.1@21.877,-17.525 22.312,-17.525 22.74,-17.953 v1(22.793,-17.953)
  L6_Sig w0.104: v1(22.793,-17.953) 22.791,-17.951 22.791,-17.557 25.402,-14.946 27.454,-14.946 R3110.1@28.599,-13.801 ; v1@22.797,-17.956 22.797,-18.797 U3100.22@22.8,-18.801
PHY1_RXDV/PHYAD2: R3112.1 R3128.2 U3100.26 | length 9
  L1_Sig w0.104: v1(24.409,-17.778) 24.409,-18.457 24.518,-18.566 24.518,-19.057 R3128.2@24.5,-19.075
  L6_Sig w0.104: U3100.26@24.401,-18.801 24.405,-18.796 v1@24.405,-17.782 ; v1@24.406,-17.775 24.406,-17.737 26.055,-16.088 29.012,-16.088 R3112.1@29.899,-15.201
PHY1_XTALIN: C3101.1 U3100.36 X3100.3 | length 5.6
  L6_Sig w0.102: U3100.36@26.699,-21.501 27.572,-21.501 ; 27.572,-21.5 28.55,-21.5 C3101.1@28.6,-21.45 30.7,-21.45 31.75,-20.4 X3100.3@31.75,-20.35 ; X3100.3@31.35,-20.4 X3100.3@31.35,-20.35
PHY1_XTALOUT: C3100.2 U3100.37 X3100.1 | length 3.2
  L6_Sig w0.102: U3100.37@26.699,-21.899 28.199,-21.899 28.201,-21.901 28.451,-21.901 C3100.2@28.6,-22.05 29.25,-22.05 X3100.1@29.65,-22.45
PMIC_INT_L: U1000.AA22 U2900.7 | length 69.8
  L1_Sig w0.102: v1(-18.783,26.114) -18.575,25.906 -17.723,25.906 -16.93,26.7 -11.716,26.7 -2.616,17.6 1.4,17.6 3.09,19.29 5.11,19.29 6.997,17.403 7.888,17.403 8.097,17.403 8.54,16.96 9.449,16.96 10.08,17.591 U2900.7@10.101,17.591 ; v1(-6.434,-0.876) U1000.AA22@-6.434,-0.46
  L4_Sig w0.102: v1(-18.783,26.114) -16.41,23.741 -16.41,18.547 -15.361,17.499 v1(-15.361,7.035)
  L6_Sig w0.102: v1(-15.361,7.035) -13.402,7.035 -13.337,6.97 -13.157,6.97 -12.862,6.675 -8.381,2.194 -7.7,1.513 -7.7,0.6 -7.5,0.4 -6.3,0.4 -6.067,0.167 -6.067,-0.535 -6.408,-0.876 v1(-6.434,-0.876)
PMIC_SLEEP_H: U1000.AG28 U2900.49 U3000.A1 | length 104.7
  L1_Sig w0.102: v1(-13.577,-0.301) -13.25,-0.301 -13.092,-0.46 U1000.AG28@-11.95,-0.46 ; v1(-2.525,21.443) -1.205,21.443 -0.8,21.038 v1(-0.8,20.2) ; v1(1.912,-18.757) 1.912,-18.703 2,-18.615 U3000.A1@2,-18.3 ; U2900.49@13.919,23.389 14.278,23.748 v1(14.583,23.748)
  L4_Sig w0.102: v1(-2.525,21.443) -2.908,21.443 -3.216,21.134 -3.216,20.984 -9.1,15.1 -9.1,7.4 -12.005,4.495 -12.005,-0.054 -12.526,-0.575 -13.303,-0.575 v1(-13.577,-0.301) -16.539,-0.301 -25.087,-8.849 -25.087,-16.938 -21.698,-20.327 -18.627,-20.327 -18.17,-19.87 -10.465,-19.87 -9.695,-19.1 -1.31,-19.1 -0.189,-20.221 0.884,-20.221 1.912,-19.193 v1(1.912,-18.757) ; v1(-0.8,20.2) -0.772,20.2 -0.572,20 6.3,20 6.574,20.274 6.922,20.274 7.163,20.515 7.163,21.473 9.86,24.17 9.863,24.17 10.048,24.355 13.539,24.355 14.017,23.877 14.424,23.877 14.553,23.748 v1(14.583,23.748)
PWM_FAN: R2316.1 U1000.AE2 | length 13.6
  L1_Sig w0.102: v1(0.913,12.948) 1.323,12.538 1.323,11.369 0.919,10.965 U1000.AE2@0.919,10.571 ; R2316.1@1.25,22.899 2.204,21.945 v1(2.204,20.995)
  L6_Sig w0.102: v1(0.913,12.948) 0.921,12.955 0.921,17.864 1.247,18.191 1.247,20.039 v1(2.204,20.995)
RESETn: C1200.2 C2939.1 R1202.2 R2908.1 R3400.1 U1000.AH27 U2900.67 | length 102.9
  L1_Sig w0.102: v1(-18.764,26.695) -18.764,27.047 -18.312,27.5 -11.628,27.5 -3.133,19.006 -2.337,18.21 -0.328,18.21 1.36,19.898 2.013,19.898 2.015,19.9 7.2,19.9 7.799,20.499 v1(8.224,20.499) 8.278,20.499 8.457,20.32 8.715,20.32 U2900.67@8.863,20.172 ; v1(-12.672,0.563) -12.618,0.563 -12.514,0.46 U1000.AH27@-11.95,0.46 ; v1(21,25.4) 21.7,25.4 22.33,24.77 22.33,20.335 21.1,19.105 21.1,17.323 21.495,16.929 24.129,16.929 25.5,18.3 28.7,18.3 28.875,18.125 R3400.1@29.9,18.125
  L3_Pow w0.102: v1(8.224,20.499) 8.262,20.537 8.262,20.781 8.759,21.279 9.864,21.279 10.195,21.61 10.195,22.741 9.6,23.337 9.6,24.4 10.483,25.283 20.839,25.283 20.956,25.4 v1(21,25.4)
  L4_Sig w0.102: v1(-18.764,26.695) -18.736,26.724 -17.774,26.724 -15.8,24.75 -15.8,18.8 -14.594,17.594 -14.594,1.714 -13.88,1 -13.108,1 v1(-12.672,0.563)
  L6_Sig w0.102: C1200.2@-12.685,0.562 -12.645,0.522 -12.038,0.522 R1202.2@-12.024,0.508 ; C1200.2@-12.672,0.562 v1(-12.672,0.563) ; R2908.1@7.85,21.607 7.868,21.59 8.21,21.59 8.4,21.4 8.4,20.971 8.231,20.802 8.231,20.506 v1(8.224,20.499) ; v1@8.231,20.499 8.278,20.499 C2939.1@8.524,20.253
RK809_32KOUT_WIFI: R2907.2 R3613.1 | length 56
  L1_Sig w0.102: v1(-19.287,26.618) -19.287,26.913 -18.4,27.8 -11.6,27.8 -6,22.2 -1.675,22.2 -0.597,21.122 -0.597,20.674 v1(-0.428,20.505)
  L4_Sig w0.102: v1(-25.333,4.43) -25,4.764 -25,20.904 v1(-19.287,26.618) ; v1(-0.428,20.505) -0.401,20.505 -0.269,20.373 6.173,20.373 6.488,20.688 v1@6.788,20.688
  L6_Sig w0.102: R3613.1@-25.7,4.4 -25.685,4.415 -25.349,4.415 v1(-25.333,4.43)
  L6_Sig w0.152: v1(6.794,20.688) 6.834,20.688 6.967,20.554 7.402,20.554 R2907.2@7.42,20.572
RK809_CLK32KOUT: R2907.1 U2900.68 | length 1.3
  L1_Sig w0.102: v1(8.297,19.62) 8.601,19.924 U2900.68@8.616,19.924
  L6_Sig w0.102: R2907.1@7.773,20.218 7.773,20.144 v1(8.297,19.62)
RK809_PWRON: C2941.1 R3401.1 U2900.52 | length 28.8
  L1_Sig w0.102: U2900.52@12.709,23.75 12.723,23.75 12.918,23.946 v1(12.972,23.946) ; v1@13,23.946 12.972,23.974 12.972,24.718 C2941.1@13.177,24.923 ; v1(23.627,14.827) 31.327,14.827 32.5,16 32.5,17.275 33.35,18.125 R3401.1@33.4,18.125
  L4_Sig w0.102: v1(12.972,23.946) 13.661,23.946 17.107,20.5 19.8,20.5 23.627,16.673 v1(23.627,14.827)
RK809_VDC: C2942.1 R2909.2 R2910.1 U2900.61 | length 8.4
  L1_Sig w0.102: C2942.1@9.254,22.946 9.245,22.938 9.245,22.833 9.335,22.743 9.335,22.652 9.503,22.484 9.503,22.146 v1(9.733,21.916) 9.787,21.916 9.898,21.805 10.2,21.805 U2900.61@10.348,21.657
  L4_Sig w0.102: v1(6.67,18.209) 6.709,18.209 7.2,18.7 8.7,18.7 9.3,19.3 9.3,21.483 v1(9.733,21.916)
  L6_Sig w0.102: R2910.1@9.301,22.301 9.349,22.301 v1(9.733,21.916)
RK809_VERF: C2936.1 U2900.46 | length 2.1
  L1_Sig w0.102: U2900.46@14.662,22.647 15.156,23.141 16.346,23.141 C2936.1@16.469,23.264